# KiCad board DumpsterPanel.kicad_pcb (continued)
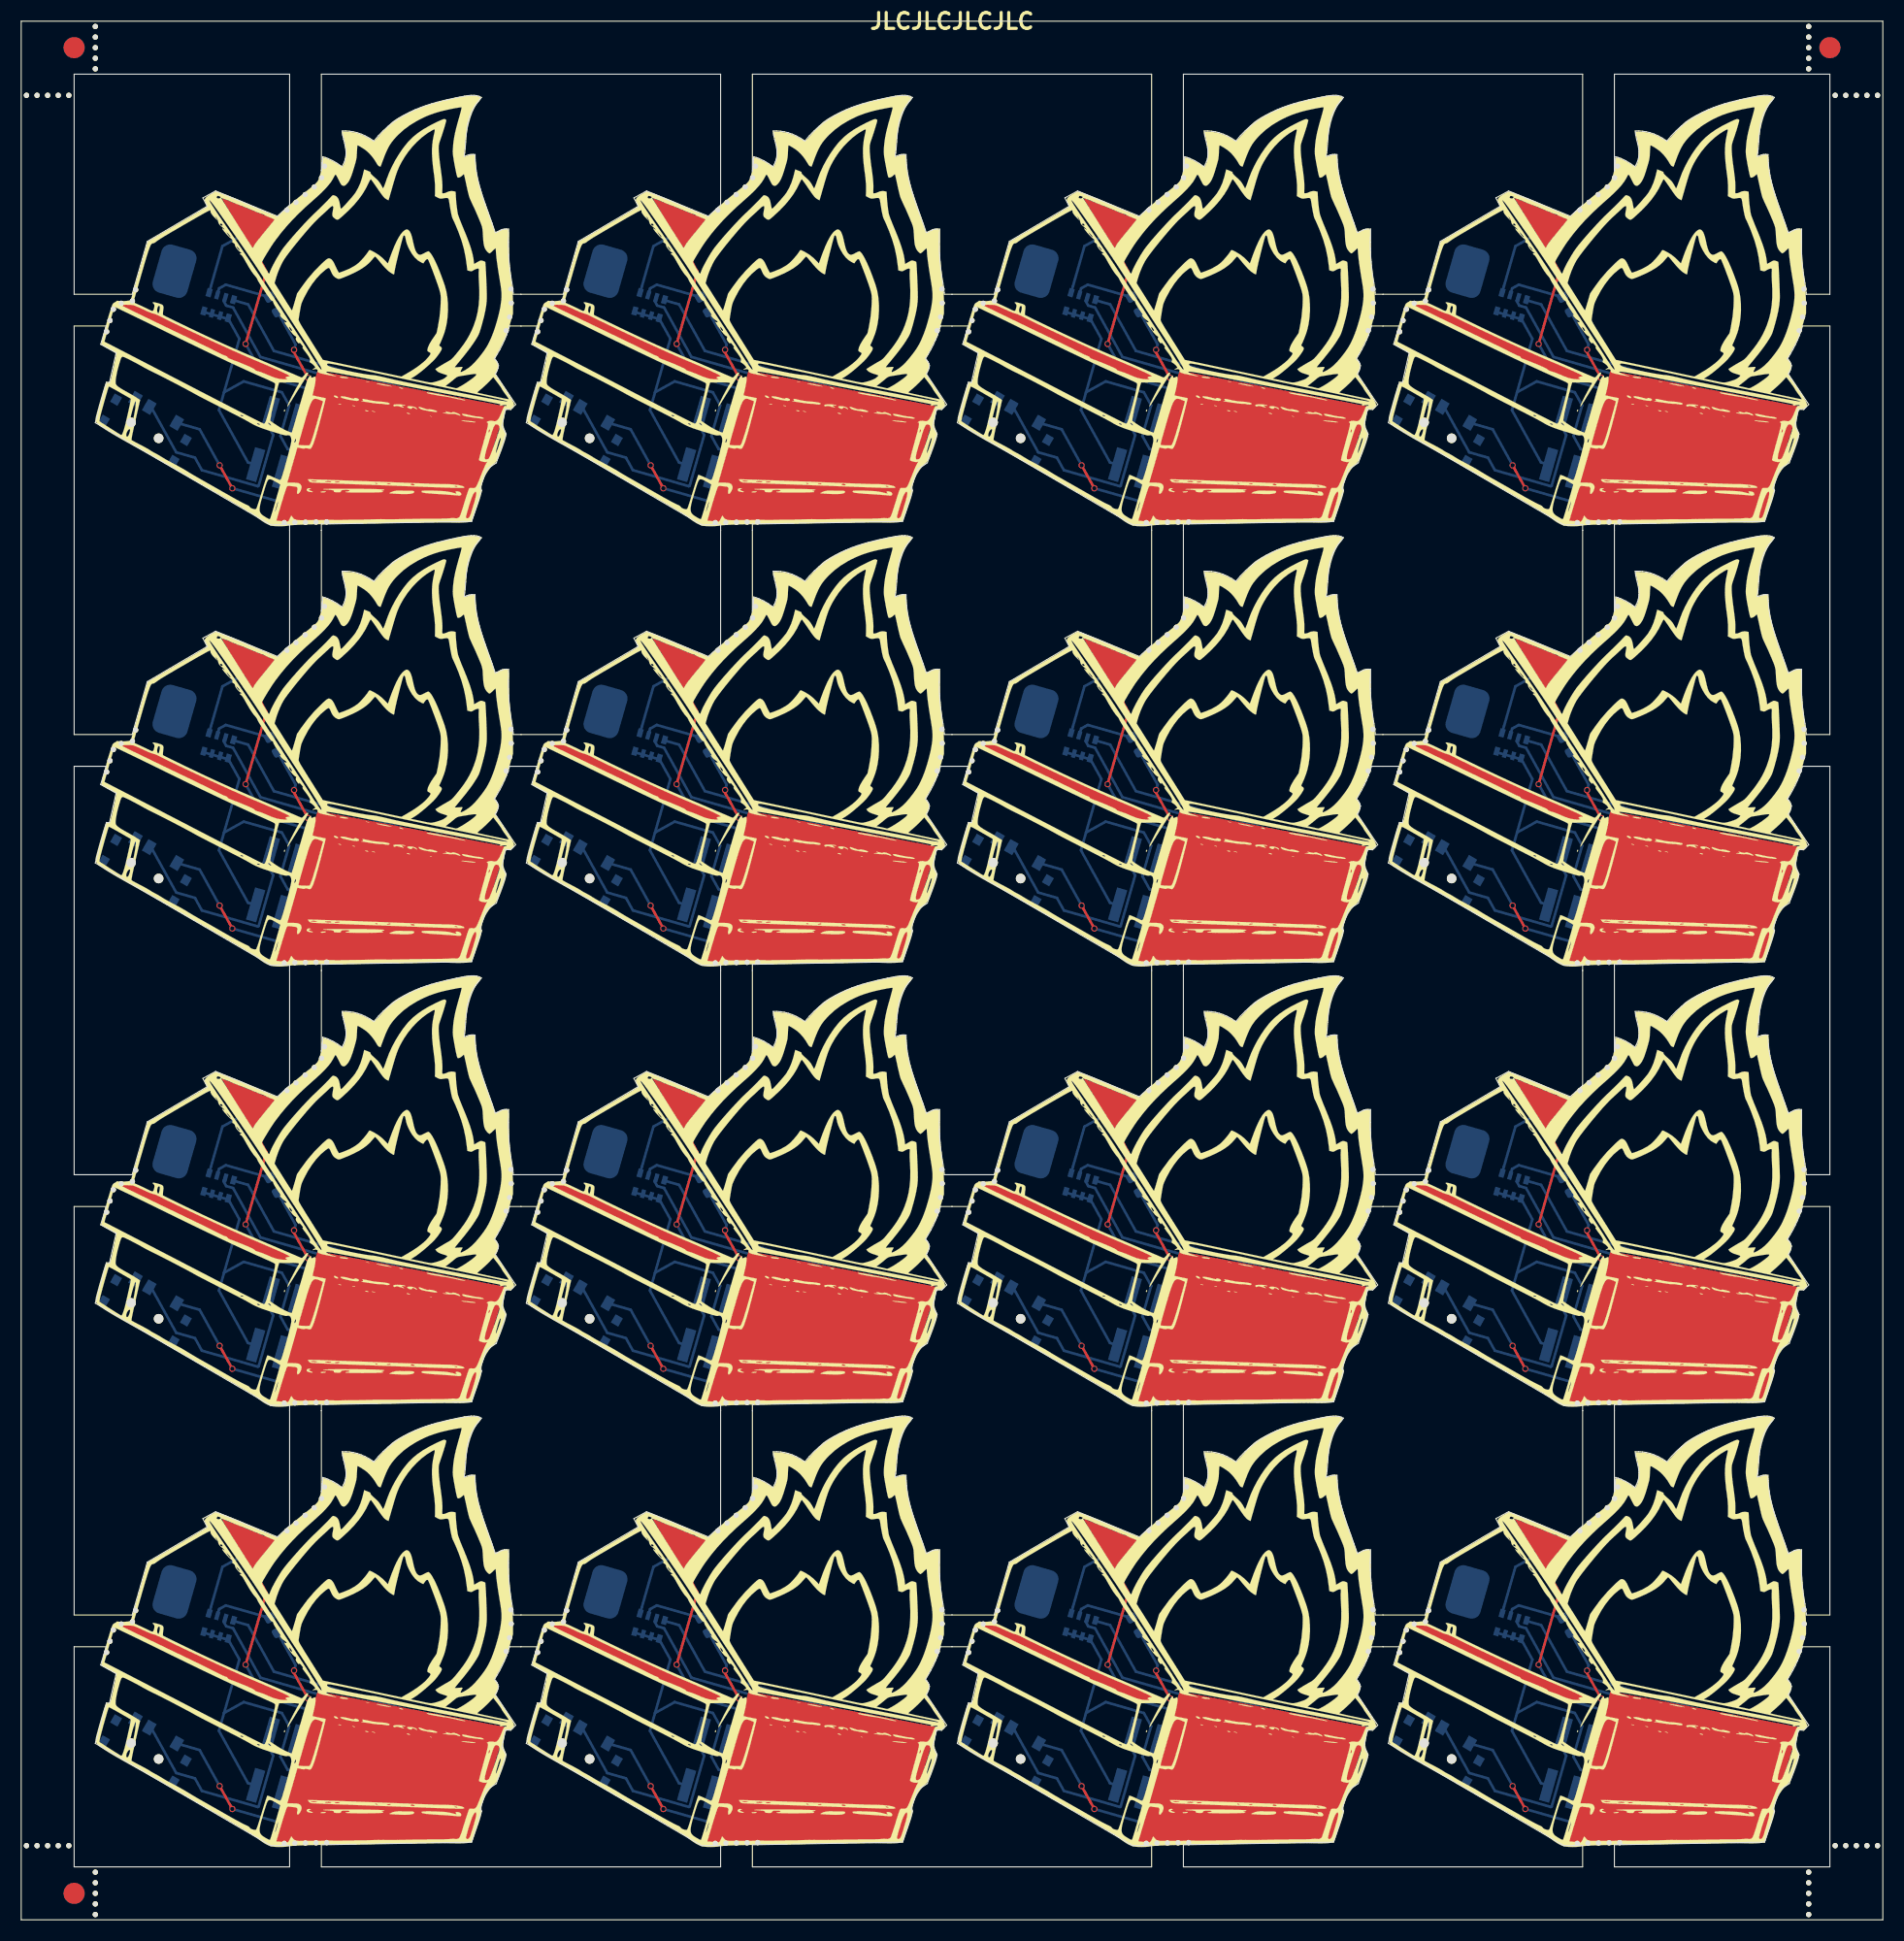
[diagram p0: board, top side]
## Placement (name value [footprint] x y rotation side) (continued)
KiKit_MB_33_4  -  [NPTH]  9.45 69.5 0 top
KiKit_MB_33_5  -  [NPTH]  10.5 69.72 0 top
KiKit_MB_33_6  -  [NPTH]  10.81 70.78 0 top
KiKit_MB_34_1  -  [NPTH]  46.25 70.85 0 top
KiKit_MB_34_2  -  [NPTH]  46.28 69.53 0 top
KiKit_MB_34_3  -  [NPTH]  46.12 68.21 0 top
KiKit_MB_34_4  -  [NPTH]  45.8 66.93 0 top
KiKit_MB_35_1  -  [NPTH]  25.1 78.3 0 top
KiKit_MB_35_2  -  [NPTH]  25.96 79.04 0 top
KiKit_MB_35_3  -  [NPTH]  26.82 79.76 0 top
KiKit_MB_35_4  -  [NPTH]  27.69 80.49 0 top
KiKit_MB_35_5  -  [NPTH]  28.37 81.36 0 top
KiKit_MB_35_6  -  [NPTH]  28.65 82.45 0 top
KiKit_MB_36_1  -  [NPTH]  28.85 48.87 0 top
KiKit_MB_36_2  -  [NPTH]  27.85 48.85 0 top
KiKit_MB_36_3  -  [NPTH]  26.85 48.83 0 top
KiKit_MB_36_4  -  [NPTH]  25.85 48.81 0 top
KiKit_MB_36_5  -  [NPTH]  24.85 48.8 0 top
KiKit_MB_37_1  -  [NPTH]  48.77 66.82 0 top
KiKit_MB_37_2  -  [NPTH]  49.09 67.88 0 top
KiKit_MB_37_3  -  [NPTH]  49.41 68.94 0 top
KiKit_MB_37_4  -  [NPTH]  50.15 69.5 0 top
KiKit_MB_37_5  -  [NPTH]  51.21 69.72 0 top
KiKit_MB_37_6  -  [NPTH]  51.51 70.78 0 top
KiKit_MB_38_1  -  [NPTH]  86.95 70.85 0 top
KiKit_MB_38_2  -  [NPTH]  86.98 69.53 0 top
KiKit_MB_38_3  -  [NPTH]  86.82 68.21 0 top
KiKit_MB_38_4  -  [NPTH]  86.5 66.93 0 top
KiKit_MB_39_1  -  [NPTH]  65.8 78.3 0 top
KiKit_MB_39_2  -  [NPTH]  66.66 79.04 0 top
KiKit_MB_39_3  -  [NPTH]  67.52 79.76 0 top
KiKit_MB_39_4  -  [NPTH]  68.39 80.49 0 top
KiKit_MB_39_5  -  [NPTH]  69.08 81.36 0 top
KiKit_MB_39_6  -  [NPTH]  69.36 82.45 0 top
KiKit_MB_40_1  -  [NPTH]  69.55 48.87 0 top
KiKit_MB_40_2  -  [NPTH]  68.55 48.85 0 top
KiKit_MB_40_3  -  [NPTH]  67.55 48.83 0 top
KiKit_MB_40_4  -  [NPTH]  66.55 48.81 0 top
KiKit_MB_40_5  -  [NPTH]  65.55 48.8 0 top
KiKit_MB_41_1  -  [NPTH]  89.48 66.82 0 top
KiKit_MB_41_2  -  [NPTH]  89.79 67.88 0 top
KiKit_MB_41_3  -  [NPTH]  90.11 68.94 0 top
KiKit_MB_41_4  -  [NPTH]  90.85 69.5 0 top
KiKit_MB_41_5  -  [NPTH]  91.91 69.72 0 top
KiKit_MB_41_6  -  [NPTH]  92.22 70.78 0 top
KiKit_MB_42_1  -  [NPTH]  127.65 70.85 0 top
KiKit_MB_42_2  -  [NPTH]  127.68 69.53 0 top
KiKit_MB_42_3  -  [NPTH]  127.52 68.21 0 top
KiKit_MB_42_4  -  [NPTH]  127.2 66.93 0 top
KiKit_MB_43_1  -  [NPTH]  106.51 78.3 0 top
KiKit_MB_43_2  -  [NPTH]  107.36 79.04 0 top
KiKit_MB_43_3  -  [NPTH]  108.23 79.76 0 top
KiKit_MB_43_4  -  [NPTH]  109.09 80.49 0 top
KiKit_MB_43_5  -  [NPTH]  109.78 81.36 0 top
KiKit_MB_43_6  -  [NPTH]  110.06 82.45 0 top
KiKit_MB_44_1  -  [NPTH]  110.25 48.87 0 top
KiKit_MB_44_2  -  [NPTH]  109.25 48.85 0 top
KiKit_MB_44_3  -  [NPTH]  108.25 48.83 0 top
KiKit_MB_44_4  -  [NPTH]  107.25 48.81 0 top
KiKit_MB_44_5  -  [NPTH]  106.25 48.8 0 top
KiKit_MB_45_1  -  [NPTH]  130.18 66.82 0 top
KiKit_MB_45_2  -  [NPTH]  130.5 67.88 0 top
KiKit_MB_45_3  -  [NPTH]  130.81 68.94 0 top
KiKit_MB_45_4  -  [NPTH]  131.55 69.5 0 top
KiKit_MB_45_5  -  [NPTH]  132.61 69.72 0 top
KiKit_MB_45_6  -  [NPTH]  132.92 70.78 0 top
KiKit_MB_46_1  -  [NPTH]  168.35 70.85 0 top
KiKit_MB_46_2  -  [NPTH]  168.38 69.53 0 top
KiKit_MB_46_3  -  [NPTH]  168.23 68.21 0 top
KiKit_MB_46_4  -  [NPTH]  167.91 66.93 0 top
KiKit_MB_47_1  -  [NPTH]  147.21 78.3 0 top
KiKit_MB_47_2  -  [NPTH]  148.07 79.04 0 top
KiKit_MB_47_3  -  [NPTH]  148.93 79.76 0 top
KiKit_MB_47_4  -  [NPTH]  149.79 80.49 0 top
KiKit_MB_47_5  -  [NPTH]  150.48 81.36 0 top
KiKit_MB_47_6  -  [NPTH]  150.76 82.45 0 top
KiKit_MB_48_1  -  [NPTH]  150.96 48.87 0 top
KiKit_MB_48_2  -  [NPTH]  149.96 48.85 0 top
KiKit_MB_48_3  -  [NPTH]  148.96 48.83 0 top
KiKit_MB_48_4  -  [NPTH]  147.96 48.81 0 top
KiKit_MB_48_5  -  [NPTH]  146.96 48.8 0 top
KiKit_MB_49_1  -  [NPTH]  8.07 25.25 0 top
KiKit_MB_49_2  -  [NPTH]  8.39 26.31 0 top
KiKit_MB_49_3  -  [NPTH]  8.71 27.37 0 top
KiKit_MB_49_4  -  [NPTH]  9.45 27.93 0 top
KiKit_MB_49_5  -  [NPTH]  10.5 28.15 0 top
KiKit_MB_49_6  -  [NPTH]  10.81 29.21 0 top
KiKit_MB_50_1  -  [NPTH]  46.25 29.28 0 top
KiKit_MB_50_2  -  [NPTH]  46.28 27.95 0 top
KiKit_MB_50_3  -  [NPTH]  46.12 26.64 0 top
KiKit_MB_50_4  -  [NPTH]  45.8 25.35 0 top
KiKit_MB_51_1  -  [NPTH]  25.1 36.73 0 top
KiKit_MB_51_2  -  [NPTH]  25.96 37.46 0 top
KiKit_MB_51_3  -  [NPTH]  26.82 38.19 0 top
KiKit_MB_51_4  -  [NPTH]  27.69 38.91 0 top
KiKit_MB_51_5  -  [NPTH]  28.37 39.79 0 top
KiKit_MB_51_6  -  [NPTH]  28.65 40.88 0 top
KiKit_MB_52_1  -  [NPTH]  28.85 7.29 0 top
KiKit_MB_52_2  -  [NPTH]  27.85 7.28 0 top
KiKit_MB_52_3  -  [NPTH]  26.85 7.26 0 top
KiKit_MB_52_4  -  [NPTH]  25.85 7.24 0 top
KiKit_MB_52_5  -  [NPTH]  24.85 7.22 0 top
KiKit_MB_53_1  -  [NPTH]  48.77 25.25 0 top
KiKit_MB_53_2  -  [NPTH]  49.09 26.31 0 top
KiKit_MB_53_3  -  [NPTH]  49.41 27.37 0 top
KiKit_MB_53_4  -  [NPTH]  50.15 27.93 0 top
KiKit_MB_53_5  -  [NPTH]  51.21 28.15 0 top
KiKit_MB_53_6  -  [NPTH]  51.51 29.21 0 top
KiKit_MB_54_1  -  [NPTH]  86.95 29.28 0 top
KiKit_MB_54_2  -  [NPTH]  86.98 27.95 0 top
KiKit_MB_54_3  -  [NPTH]  86.82 26.64 0 top
KiKit_MB_54_4  -  [NPTH]  86.5 25.35 0 top
KiKit_MB_55_1  -  [NPTH]  65.8 36.73 0 top
KiKit_MB_55_2  -  [NPTH]  66.66 37.46 0 top
KiKit_MB_55_3  -  [NPTH]  67.52 38.19 0 top
KiKit_MB_55_4  -  [NPTH]  68.39 38.91 0 top
KiKit_MB_55_5  -  [NPTH]  69.08 39.79 0 top
KiKit_MB_55_6  -  [NPTH]  69.36 40.88 0 top
KiKit_MB_56_1  -  [NPTH]  69.55 7.29 0 top
KiKit_MB_56_2  -  [NPTH]  68.55 7.28 0 top
KiKit_MB_56_3  -  [NPTH]  67.55 7.26 0 top
KiKit_MB_56_4  -  [NPTH]  66.55 7.24 0 top
KiKit_MB_56_5  -  [NPTH]  65.55 7.22 0 top
KiKit_MB_57_1  -  [NPTH]  89.48 25.25 0 top
KiKit_MB_57_2  -  [NPTH]  89.79 26.31 0 top
KiKit_MB_57_3  -  [NPTH]  90.11 27.37 0 top
KiKit_MB_57_4  -  [NPTH]  90.85 27.93 0 top
KiKit_MB_57_5  -  [NPTH]  91.91 28.15 0 top
KiKit_MB_57_6  -  [NPTH]  92.22 29.21 0 top
KiKit_MB_58_1  -  [NPTH]  127.65 29.28 0 top
KiKit_MB_58_2  -  [NPTH]  127.68 27.95 0 top
KiKit_MB_58_3  -  [NPTH]  127.52 26.64 0 top
KiKit_MB_58_4  -  [NPTH]  127.2 25.35 0 top
KiKit_MB_59_1  -  [NPTH]  106.51 36.73 0 top
KiKit_MB_59_2  -  [NPTH]  107.36 37.46 0 top
KiKit_MB_59_3  -  [NPTH]  108.23 38.19 0 top
KiKit_MB_59_4  -  [NPTH]  109.09 38.91 0 top
KiKit_MB_59_5  -  [NPTH]  109.78 39.79 0 top
KiKit_MB_59_6  -  [NPTH]  110.06 40.88 0 top
KiKit_MB_60_1  -  [NPTH]  110.25 7.29 0 top
KiKit_MB_60_2  -  [NPTH]  109.25 7.28 0 top
KiKit_MB_60_3  -  [NPTH]  108.25 7.26 0 top
KiKit_MB_60_4  -  [NPTH]  107.25 7.24 0 top
KiKit_MB_60_5  -  [NPTH]  106.25 7.22 0 top
KiKit_MB_61_1  -  [NPTH]  130.18 25.25 0 top
KiKit_MB_61_2  -  [NPTH]  130.5 26.31 0 top
KiKit_MB_61_3  -  [NPTH]  130.81 27.37 0 top
KiKit_MB_61_4  -  [NPTH]  131.55 27.93 0 top
KiKit_MB_61_5  -  [NPTH]  132.61 28.15 0 top
KiKit_MB_61_6  -  [NPTH]  132.92 29.21 0 top
KiKit_MB_62_1  -  [NPTH]  168.35 29.28 0 top
KiKit_MB_62_2  -  [NPTH]  168.38 27.95 0 top
KiKit_MB_62_3  -  [NPTH]  168.23 26.64 0 top
KiKit_MB_62_4  -  [NPTH]  167.91 25.35 0 top
KiKit_MB_63_1  -  [NPTH]  147.21 36.73 0 top
KiKit_MB_63_2  -  [NPTH]  148.07 37.46 0 top
KiKit_MB_63_3  -  [NPTH]  148.93 38.19 0 top
KiKit_MB_63_4  -  [NPTH]  149.79 38.91 0 top
KiKit_MB_63_5  -  [NPTH]  150.48 39.79 0 top
KiKit_MB_63_6  -  [NPTH]  150.76 40.88 0 top
KiKit_MB_64_1  -  [NPTH]  150.96 7.29 0 top
KiKit_MB_64_2  -  [NPTH]  149.96 7.28 0 top
KiKit_MB_64_3  -  [NPTH]  148.96 7.26 0 top
KiKit_MB_64_4  -  [NPTH]  147.96 7.24 0 top
KiKit_MB_64_5  -  [NPTH]  146.96 7.22 0 top
KiKit_MB_65_2  -  [NPTH]  7 178.79 0 top
KiKit_MB_65_3  -  [NPTH]  7 177.79 0 top
KiKit_MB_65_4  -  [NPTH]  7 176.79 0 top
KiKit_MB_65_5  -  [NPTH]  7 175.79 0 top
KiKit_MB_65_6  -  [NPTH]  7 174.79 0 top
KiKit_MB_66_2  -  [NPTH]  168.81 178.79 0 top
KiKit_MB_66_3  -  [NPTH]  168.81 177.79 0 top
KiKit_MB_66_4  -  [NPTH]  168.81 176.79 0 top
KiKit_MB_66_5  -  [NPTH]  168.81 175.79 0 top
KiKit_MB_66_6  -  [NPTH]  168.81 174.79 0 top
KiKit_MB_67_2  -  [NPTH]  7 4.5 0 top
KiKit_MB_67_3  -  [NPTH]  7 3.5 0 top
KiKit_MB_67_4  -  [NPTH]  7 2.5 0 top
KiKit_MB_67_5  -  [NPTH]  7 1.5 0 top
KiKit_MB_67_6  -  [NPTH]  7 0.5 0 top
KiKit_MB_68_2  -  [NPTH]  168.81 4.5 0 top
KiKit_MB_68_3  -  [NPTH]  168.81 3.5 0 top
KiKit_MB_68_4  -  [NPTH]  168.81 2.5 0 top
KiKit_MB_68_5  -  [NPTH]  168.81 1.5 0 top
KiKit_MB_68_6  -  [NPTH]  168.81 0.5 0 top
KiKit_MB_69_2  -  [NPTH]  0.5 172.29 0 top
KiKit_MB_69_3  -  [NPTH]  1.5 172.29 0 top
KiKit_MB_69_4  -  [NPTH]  2.5 172.29 0 top
KiKit_MB_69_5  -  [NPTH]  3.5 172.29 0 top
KiKit_MB_69_6  -  [NPTH]  4.5 172.29 0 top
KiKit_MB_70_2  -  [NPTH]  0.5 7 0 top
KiKit_MB_70_3  -  [NPTH]  1.5 7 0 top
KiKit_MB_70_4  -  [NPTH]  2.5 7 0 top
KiKit_MB_70_5  -  [NPTH]  3.5 7 0 top
KiKit_MB_70_6  -  [NPTH]  4.5 7 0 top
KiKit_MB_71_2  -  [NPTH]  171.31 172.29 0 top
KiKit_MB_71_3  -  [NPTH]  172.31 172.29 0 top
KiKit_MB_71_4  -  [NPTH]  173.31 172.29 0 top
KiKit_MB_71_5  -  [NPTH]  174.31 172.29 0 top
KiKit_MB_71_6  -  [NPTH]  175.31 172.29 0 top
KiKit_MB_72_2  -  [NPTH]  171.31 7 0 top
KiKit_MB_72_3  -  [NPTH]  172.31 7 0 top
KiKit_MB_72_4  -  [NPTH]  173.31 7 0 top
KiKit_MB_72_5  -  [NPTH]  174.31 7 0 top
KiKit_MB_72_6  -  [NPTH]  175.31 7 0 top
Ref**  Val**  [dumpsterFireMiddle]  31.02 153.85 344 top
Ref**#2  Val**  [dumpsterFireMiddle]  112.42 70.71 344 top
Ref**#3  Val**  [dumpsterFireMiddle]  112.42 112.28 344 top
Ref**#4  Val**  [dumpsterFireMiddle]  31.02 29.14 344 top
Ref**#5  Val**  [dumpsterFireMiddle]  153.12 112.28 344 top
Ref**#6  Val**  [dumpsterFireMiddle]  153.12 29.14 344 top
Ref**#7  Val**  [dumpsterFireMiddle]  153.12 70.71 344 top
Ref**#8  Val**  [dumpsterFireMiddle]  153.12 153.85 344 top
Ref**#9  Val**  [dumpsterFireMiddle]  71.72 29.14 344 top
Ref**#10  Val**  [dumpsterFireMiddle]  31.02 70.71 344 top
Ref**#11  Val**  [dumpsterFireMiddle]  31.02 112.28 344 top
Ref**#12  Val**  [dumpsterFireMiddle]  71.72 153.85 344 top
Ref**#13  Val**  [dumpsterFireMiddle]  71.72 70.71 344 top
Ref**#14  Val**  [dumpsterFireMiddle]  112.42 29.14 344 top
Ref**#15  Val**  [W]  82.97 97.09 164 bottom
Ref**#16  Val**  [UELogoVsmall]  54.26 143.77 164 bottom
Ref**#17  Val**  [UELogoVsmall]  13.56 102.2 164 bottom
Ref**#18  Val**  [W]  82.97 13.95 164 bottom
Ref**#19  Val**  [W]  164.37 138.66 164 bottom
Ref**#20  Val**  [W]  123.67 138.66 164 bottom
Ref**#21  Val**  [W]  123.67 55.52 164 bottom
Ref**#22  Val**  [UELogoVsmall]  135.67 102.2 164 bottom
Ref**#23  Val**  [W]  164.37 97.09 164 bottom
Ref**#24  Val**  [UELogoVsmall]  94.97 143.77 164 bottom
Ref**#25  Val**  [UELogoVsmall]  13.56 143.77 164 bottom
Ref**#26  Val**  [UELogoVsmall]  54.26 60.63 164 bottom
Ref**#27  Val**  [UELogoVsmall]  13.56 19.06 164 bottom
Ref**#28  Val**  [W]  42.27 97.09 164 bottom
Ref**#29  Val**  [W]  164.37 13.95 164 bottom
Ref**#30  Val**  [UELogoVsmall]  94.97 19.06 164 bottom
Ref**#31  Val**  [UELogoVsmall]  54.26 19.06 164 bottom
Ref**#32  Val**  [W]  42.27 138.66 164 bottom
Ref**#33  Val**  [W]  42.27 55.52 164 bottom
Ref**#34  Val**  [UELogoVsmall]  13.56 60.63 164 bottom
Ref**#35  Val**  [UELogoVsmall]  135.67 60.63 164 bottom
Ref**#36  Val**  [UELogoVsmall]  54.26 102.2 164 bottom
Ref**#37  Val**  [W]  123.67 13.95 164 bottom
Ref**#38  Val**  [UELogoVsmall]  94.97 60.63 164 bottom
Ref**#39  Val**  [W]  82.97 55.52 164 bottom
Ref**#40  Val**  [W]  42.27 13.95 164 bottom
Ref**#41  Val**  [UELogoVsmall]  135.67 19.06 164 bottom
Ref**#42  Val**  [W]  164.37 55.52 164 bottom
Ref**#43  Val**  [W]  82.97 138.66 164 bottom
Ref**#44  Val**  [UELogoVsmall]  135.67 143.77 164 bottom
Ref**#45  Val**  [UELogoVsmall]  94.97 102.2 164 bottom
Ref**#46  Val**  [W]  123.67 97.09 164 bottom
RN1  330  [R_Array_Convex_4x0603]  140.76 27.74 254 bottom
RN1#2  330  [R_Array_Convex_4x0603]  140.76 152.46 254 bottom
RN1#3  330  [R_Array_Convex_4x0603]  100.06 27.74 254 bottom
RN1#4  330  [R_Array_Convex_4x0603]  18.65 27.74 254 bottom
RN1#5  330  [R_Array_Convex_4x0603]  59.36 110.88 254 bottom
RN1#6  330  [R_Array_Convex_4x0603]  100.06 69.31 254 bottom
RN1#7  330  [R_Array_Convex_4x0603]  59.36 27.74 254 bottom
RN1#8  330  [R_Array_Convex_4x0603]  18.65 69.31 254 bottom
RN1#9  330  [R_Array_Convex_4x0603]  100.06 152.46 254 bottom
RN1#10  330  [R_Array_Convex_4x0603]  59.36 152.46 254 bottom
RN1#11  330  [R_Array_Convex_4x0603]  18.65 152.46 254 bottom
RN1#12  330  [R_Array_Convex_4x0603]  59.36 69.31 254 bottom
RN1#13  330  [R_Array_Convex_4x0603]  140.76 110.88 254 bottom
RN1#14  330  [R_Array_Convex_4x0603]  100.06 110.88 254 bottom
RN1#15  330  [R_Array_Convex_4x0603]  18.65 110.88 254 bottom
RN1#16  330  [R_Array_Convex_4x0603]  140.76 69.31 254 bottom
SW1  SW_SPDT  [SK-3296S_switch]  133.79 15.94 330 bottom
SW1#2  SW_SPDT  [SK-3296S_switch]  52.38 57.51 330 bottom
SW1#3  SW_SPDT  [SK-3296S_switch]  11.68 99.08 330 bottom
SW1#4  SW_SPDT  [SK-3296S_switch]  52.38 140.65 330 bottom
SW1#5  SW_SPDT  [SK-3296S_switch]  11.68 15.94 330 bottom
SW1#6  SW_SPDT  [SK-3296S_switch]  93.09 15.94 330 bottom
SW1#7  SW_SPDT  [SK-3296S_switch]  11.68 140.65 330 bottom
SW1#8  SW_SPDT  [SK-3296S_switch]  11.68 57.51 330 bottom
SW1#9  SW_SPDT  [SK-3296S_switch]  93.09 99.08 330 bottom
SW1#10  SW_SPDT  [SK-3296S_switch]  93.09 57.51 330 bottom
SW1#11  SW_SPDT  [SK-3296S_switch]  133.79 140.65 330 bottom
SW1#12  SW_SPDT  [SK-3296S_switch]  133.79 57.51 330 bottom
SW1#13  SW_SPDT  [SK-3296S_switch]  93.09 140.65 330 bottom
SW1#14  SW_SPDT  [SK-3296S_switch]  52.38 15.94 330 bottom
SW1#15  SW_SPDT  [SK-3296S_switch]  52.38 99.08 330 bottom
SW1#16  SW_SPDT  [SK-3296S_switch]  133.79 99.08 330 bottom
U2  CH32V003FxPx  [TSSOP-20_4.4x6.5mm_P0.65mm]  116.87 96.96 164 bottom
U2#2  CH32V003FxPx  [TSSOP-20_4.4x6.5mm_P0.65mm]  157.57 96.96 164 bottom
U2#3  CH32V003FxPx  [TSSOP-20_4.4x6.5mm_P0.65mm]  76.17 96.96 164 bottom
U2#4  CH32V003FxPx  [TSSOP-20_4.4x6.5mm_P0.65mm]  76.17 55.39 164 bottom
U2#5  CH32V003FxPx  [TSSOP-20_4.4x6.5mm_P0.65mm]  116.87 138.53 164 bottom
U2#6  CH32V003FxPx  [TSSOP-20_4.4x6.5mm_P0.65mm]  76.17 138.53 164 bottom
U2#7  CH32V003FxPx  [TSSOP-20_4.4x6.5mm_P0.65mm]  116.87 55.39 164 bottom
U2#8  CH32V003FxPx  [TSSOP-20_4.4x6.5mm_P0.65mm]  76.17 13.82 164 bottom
U2#9  CH32V003FxPx  [TSSOP-20_4.4x6.5mm_P0.65mm]  35.47 138.53 164 bottom
U2#10  CH32V003FxPx  [TSSOP-20_4.4x6.5mm_P0.65mm]  157.57 55.39 164 bottom
U2#11  CH32V003FxPx  [TSSOP-20_4.4x6.5mm_P0.65mm]  35.47 13.82 164 bottom
U2#12  CH32V003FxPx  [TSSOP-20_4.4x6.5mm_P0.65mm]  35.47 55.39 164 bottom
U2#13  CH32V003FxPx  [TSSOP-20_4.4x6.5mm_P0.65mm]  35.47 96.96 164 bottom
U2#14  CH32V003FxPx  [TSSOP-20_4.4x6.5mm_P0.65mm]  157.57 138.53 164 bottom
U2#15  CH32V003FxPx  [TSSOP-20_4.4x6.5mm_P0.65mm]  116.87 13.82 164 bottom
U2#16  CH32V003FxPx  [TSSOP-20_4.4x6.5mm_P0.65mm]  157.57 13.82 164 bottom

## Library data of the parts
J2 J2#2-J2#16 = -: Description: Generic connector, single row, 01x01, script generated (kicad-library-utils/schlib/autogen/connector/)
U2 U2#2-U2#16 = -: Datasheet: https://www.wch-ic.com/products/CH32V003.html; Description: CH32V003 series are industrial-grade general-purpose microcontrollers designed based on 32-bit RISC-V instruction set and architecture. It adopts QingKe V2A core, RV32EC instruction set, and supports 2 levels of interrupt nesting. The series are mounted with rich peripheral interfaces and function modules. Its internal organizational structure meets the low-cost and low-power embedded application scenarios.

## Footprints (pads in the part's own frame, mm; a bottom-side part is the same pattern mirrored in y, then rotated)
C_0805_2012Metric
  rrect 1x1.45 smd: 1(-0.95,0) 2(0.95,0)
Fiducial
  round 2 smd: (0,0)
LED_0603_1608Metric
  rrect 0.875x0.95 smd: 1(-0.787,0) 2(0.787,0)
NPTH
  round 0.5 hole 0.5 unplated: (0,0)
PinHeader_2x03_P2.54mm_Vertical_SMD
  rect 3.15x1 smd: 1(-2.525,2.54) 2(2.525,2.54) 3(-2.525,0) 4(2.525,0) 5(-2.525,-2.54) 6(2.525,-2.54)
R_Array_Convex_4x0603
  rect 0.8x0.5 smd: 1(-0.9,1.2) 4(-0.9,-1.2) 5(0.9,-1.2) 8(0.9,1.2)
  rect 0.8x0.4 smd: 2(-0.9,0.4) 3(-0.9,-0.4) 6(0.9,-0.4) 7(0.9,0.4)
SK-3296S_switch
  round 0.9 hole 0.9 unplated: (-1.5,0) (1.5,0)
  rect 0.9x1.25 smd: 1(-2.25,-2.125) 2(-0.75,-2.125) 3(2.25,-2.125)
  rect 0.8x0.9 smd: 4(-3.8,1.15) 4(-3.8,-1.15) 4(3.8,1.15) 4(3.81,-1.15)
TestPoint_5016
  rrect 4.7x3.4 smd: 1(0,0)
TSSOP-20_4.4x6.5mm_P0.65mm
  rrect 1.475x0.4 smd: 1(-2.862,2.925) 2(-2.863,2.275) 3(-2.862,1.625) 4(-2.862,0.975) 5(-2.862,0.325) 6(-2.862,-0.325) 7(-2.862,-0.975) 8(-2.862,-1.625) 9(-2.862,-2.275) 10(-2.862,-2.925) 11(2.862,-2.925) 12(2.863,-2.275) 13(2.862,-1.625) 14(2.862,-0.975) 15(2.862,-0.325) 16(2.862,0.325) 17(2.862,0.975) 18(2.862,1.625) 19(2.862,2.275) 20(2.862,2.925)

## Nets
Board_0-+3V3: J1#16.1 SW1#7.2
Board_0-A: D1#3.2 U2#9.11
Board_0-B: D4#4.2 U2#9.12
Board_0-C: D3#8.2 U2#9.13
Board_0-D: D2#5.2 U2#9.1
Board_0-Net-(D1-K): D1#3.1 RN1#11.1
Board_0-Net-(D2-K): D2#5.1 RN1#11.4
Board_0-Net-(D3-K): D3#8.1 RN1#11.3
Board_0-Net-(D4-K): D4#4.1 RN1#11.2
Board_0-SWIO: J1#16.5 U2#9.18
Board_0-unconnected-(J1-Pin_3-Pad3): J1#16.3
Board_0-unconnected-(J1-Pin_4-Pad4): J1#16.4
Board_0-unconnected-(J1-Pin_6-Pad6): J1#16.6
Board_0-unconnected-(J2-Pin_1-Pad1): J2#6.1
Board_0-unconnected-(SW1-A-Pad1): SW1#7.1
Board_0-unconnected-(U2-PA1-Pad5): U2#9.5
Board_0-unconnected-(U2-PA2-Pad6): U2#9.6
Board_0-unconnected-(U2-PC0-Pad10): U2#9.10
Board_0-unconnected-(U2-PC4-Pad14): U2#9.14
Board_0-unconnected-(U2-PC5-Pad15): U2#9.15
Board_0-unconnected-(U2-PC6-Pad16): U2#9.16
Board_0-unconnected-(U2-PC7-Pad17): U2#9.17
Board_0-unconnected-(U2-PD0-Pad8): U2#9.8
Board_0-unconnected-(U2-PD2-Pad19): U2#9.19
Board_0-unconnected-(U2-PD3-Pad20): U2#9.20
Board_0-unconnected-(U2-PD5-Pad2): U2#9.2
Board_0-unconnected-(U2-PD6-Pad3): U2#9.3
Board_0-unconnected-(U2-PD7-Pad4): U2#9.4
Board_0-VCC: C2#3.2 SW1#7.3 U2#9.9
Board_0-VSS: C2#3.1 J1#16.2 RN1#11.5 RN1#11.6 RN1#11.7 RN1#11.8 U2#9.7
Board_1-+3V3: J1#5.1 SW1#4.2
Board_1-A: D1.2 U2#6.11
Board_1-B: D4#10.2 U2#6.12
Board_1-C: D3#3.2 U2#6.13
Board_1-D: D2#10.2 U2#6.1
Board_1-Net-(D1-K): D1.1 RN1#10.1
Board_1-Net-(D2-K): D2#10.1 RN1#10.4
Board_1-Net-(D3-K): D3#3.1 RN1#10.3
Board_1-Net-(D4-K): D4#10.1 RN1#10.2
Board_1-SWIO: J1#5.5 U2#6.18
Board_1-unconnected-(J1-Pin_3-Pad3): J1#5.3
Board_1-unconnected-(J1-Pin_4-Pad4): J1#5.4
Board_1-unconnected-(J1-Pin_6-Pad6): J1#5.6
Board_1-unconnected-(J2-Pin_1-Pad1): J2#14.1
Board_1-unconnected-(SW1-A-Pad1): SW1#4.1
Board_1-unconnected-(U2-PA1-Pad5): U2#6.5
Board_1-unconnected-(U2-PA2-Pad6): U2#6.6
Board_1-unconnected-(U2-PC0-Pad10): U2#6.10
Board_1-unconnected-(U2-PC4-Pad14): U2#6.14
Board_1-unconnected-(U2-PC5-Pad15): U2#6.15
Board_1-unconnected-(U2-PC6-Pad16): U2#6.16
Board_1-unconnected-(U2-PC7-Pad17): U2#6.17
Board_1-unconnected-(U2-PD0-Pad8): U2#6.8
Board_1-unconnected-(U2-PD2-Pad19): U2#6.19
Board_1-unconnected-(U2-PD3-Pad20): U2#6.20
Board_1-unconnected-(U2-PD5-Pad2): U2#6.2
Board_1-unconnected-(U2-PD6-Pad3): U2#6.3
Board_1-unconnected-(U2-PD7-Pad4): U2#6.4
Board_1-VCC: C2.2 SW1#4.3 U2#6.9
Board_1-VSS: C2.1 J1#5.2 RN1#10.5 RN1#10.6 RN1#10.7 RN1#10.8 U2#6.7
Board_2-+3V3: J1#6.1 SW1#13.2
Board_2-A: D1#11.2 U2#5.11
Board_2-B: D4.2 U2#5.12
Board_2-C: D3#4.2 U2#5.13
Board_2-D: D2#14.2 U2#5.1
Board_2-Net-(D1-K): D1#11.1 RN1#9.1
Board_2-Net-(D2-K): D2#14.1 RN1#9.4
Board_2-Net-(D3-K): D3#4.1 RN1#9.3
Board_2-Net-(D4-K): D4.1 RN1#9.2
Board_2-SWIO: J1#6.5 U2#5.18
Board_2-unconnected-(J1-Pin_3-Pad3): J1#6.3
Board_2-unconnected-(J1-Pin_4-Pad4): J1#6.4
Board_2-unconnected-(J1-Pin_6-Pad6): J1#6.6
Board_2-unconnected-(J2-Pin_1-Pad1): J2#2.1
Board_2-unconnected-(SW1-A-Pad1): SW1#13.1
Board_2-unconnected-(U2-PA1-Pad5): U2#5.5
Board_2-unconnected-(U2-PA2-Pad6): U2#5.6
Board_2-unconnected-(U2-PC0-Pad10): U2#5.10
Board_2-unconnected-(U2-PC4-Pad14): U2#5.14
Board_2-unconnected-(U2-PC5-Pad15): U2#5.15
Board_2-unconnected-(U2-PC6-Pad16): U2#5.16
Board_2-unconnected-(U2-PC7-Pad17): U2#5.17
Board_2-unconnected-(U2-PD0-Pad8): U2#5.8
Board_2-unconnected-(U2-PD2-Pad19): U2#5.19
Board_2-unconnected-(U2-PD3-Pad20): U2#5.20
Board_2-unconnected-(U2-PD5-Pad2): U2#5.2
Board_2-unconnected-(U2-PD6-Pad3): U2#5.3
Board_2-unconnected-(U2-PD7-Pad4): U2#5.4
Board_2-VCC: C2#4.2 SW1#13.3 U2#5.9
Board_2-VSS: C2#4.1 J1#6.2 RN1#9.5 RN1#9.6 RN1#9.7 RN1#9.8 U2#5.7
Board_3-+3V3: J1#8.1 SW1#11.2
Board_3-A: D1#13.2 U2#14.11
Board_3-B: D4#16.2 U2#14.12
Board_3-C: D3#5.2 U2#14.13
Board_3-D: D2#11.2 U2#14.1
Board_3-Net-(D1-K): D1#13.1 RN1#2.1
Board_3-Net-(D2-K): D2#11.1 RN1#2.4
Board_3-Net-(D3-K): D3#5.1 RN1#2.3
Board_3-Net-(D4-K): D4#16.1 RN1#2.2
Board_3-SWIO: J1#8.5 U2#14.18
Board_3-unconnected-(J1-Pin_3-Pad3): J1#8.3
Board_3-unconnected-(J1-Pin_4-Pad4): J1#8.4
Board_3-unconnected-(J1-Pin_6-Pad6): J1#8.6
Board_3-unconnected-(J2-Pin_1-Pad1): J2#3.1
Board_3-unconnected-(SW1-A-Pad1): SW1#11.1
Board_3-unconnected-(U2-PA1-Pad5): U2#14.5
Board_3-unconnected-(U2-PA2-Pad6): U2#14.6
Board_3-unconnected-(U2-PC0-Pad10): U2#14.10
Board_3-unconnected-(U2-PC4-Pad14): U2#14.14
Board_3-unconnected-(U2-PC5-Pad15): U2#14.15
Board_3-unconnected-(U2-PC6-Pad16): U2#14.16
Board_3-unconnected-(U2-PC7-Pad17): U2#14.17
Board_3-unconnected-(U2-PD0-Pad8): U2#14.8
Board_3-unconnected-(U2-PD2-Pad19): U2#14.19
Board_3-unconnected-(U2-PD3-Pad20): U2#14.20
Board_3-unconnected-(U2-PD5-Pad2): U2#14.2
Board_3-unconnected-(U2-PD6-Pad3): U2#14.3
Board_3-unconnected-(U2-PD7-Pad4): U2#14.4
Board_3-VCC: C2#5.2 SW1#11.3 U2#14.9
Board_3-VSS: C2#5.1 J1#8.2 RN1#2.5 RN1#2.6 RN1#2.7 RN1#2.8 U2#14.7
Board_4-+3V3: J1#12.1 SW1#3.2
Board_4-A: D1#5.2 U2#13.11
Board_4-B: D4#8.2 U2#13.12
Board_4-C: D3#16.2 U2#13.13
Board_4-D: D2#8.2 U2#13.1
Board_4-Net-(D1-K): D1#5.1 RN1#15.1
Board_4-Net-(D2-K): D2#8.1 RN1#15.4
Board_4-Net-(D3-K): D3#16.1 RN1#15.3
Board_4-Net-(D4-K): D4#8.1 RN1#15.2
Board_4-SWIO: J1#12.5 U2#13.18
Board_4-unconnected-(J1-Pin_3-Pad3): J1#12.3
Board_4-unconnected-(J1-Pin_4-Pad4): J1#12.4
Board_4-unconnected-(J1-Pin_6-Pad6): J1#12.6
Board_4-unconnected-(J2-Pin_1-Pad1): J2#12.1
Board_4-unconnected-(SW1-A-Pad1): SW1#3.1
Board_4-unconnected-(U2-PA1-Pad5): U2#13.5
Board_4-unconnected-(U2-PA2-Pad6): U2#13.6
Board_4-unconnected-(U2-PC0-Pad10): U2#13.10
Board_4-unconnected-(U2-PC4-Pad14): U2#13.14
Board_4-unconnected-(U2-PC5-Pad15): U2#13.15
Board_4-unconnected-(U2-PC6-Pad16): U2#13.16
Board_4-unconnected-(U2-PC7-Pad17): U2#13.17
Board_4-unconnected-(U2-PD0-Pad8): U2#13.8
Board_4-unconnected-(U2-PD2-Pad19): U2#13.19
Board_4-unconnected-(U2-PD3-Pad20): U2#13.20
Board_4-unconnected-(U2-PD5-Pad2): U2#13.2
Board_4-unconnected-(U2-PD6-Pad3): U2#13.3
Board_4-unconnected-(U2-PD7-Pad4): U2#13.4
Board_4-VCC: C2#16.2 SW1#3.3 U2#13.9
Board_4-VSS: C2#16.1 J1#12.2 RN1#15.5 RN1#15.6 RN1#15.7 RN1#15.8 U2#13.7
Board_5-+3V3: J1#15.1 SW1#15.2
Board_5-A: D1#6.2 U2#3.11
Board_5-B: D4#13.2 U2#3.12
Board_5-C: D3#10.2 U2#3.13
Board_5-D: D2#6.2 U2#3.1
Board_5-Net-(D1-K): D1#6.1 RN1#5.1
Board_5-Net-(D2-K): D2#6.1 RN1#5.4
Board_5-Net-(D3-K): D3#10.1 RN1#5.3
Board_5-Net-(D4-K): D4#13.1 RN1#5.2
Board_5-SWIO: J1#15.5 U2#3.18
Board_5-unconnected-(J1-Pin_3-Pad3): J1#15.3
Board_5-unconnected-(J1-Pin_4-Pad4): J1#15.4
Board_5-unconnected-(J1-Pin_6-Pad6): J1#15.6
Board_5-unconnected-(J2-Pin_1-Pad1): J2#7.1
Board_5-unconnected-(SW1-A-Pad1): SW1#15.1
Board_5-unconnected-(U2-PA1-Pad5): U2#3.5
Board_5-unconnected-(U2-PA2-Pad6): U2#3.6
Board_5-unconnected-(U2-PC0-Pad10): U2#3.10
Board_5-unconnected-(U2-PC4-Pad14): U2#3.14
Board_5-unconnected-(U2-PC5-Pad15): U2#3.15
Board_5-unconnected-(U2-PC6-Pad16): U2#3.16
Board_5-unconnected-(U2-PC7-Pad17): U2#3.17
Board_5-unconnected-(U2-PD0-Pad8): U2#3.8
Board_5-unconnected-(U2-PD2-Pad19): U2#3.19
Board_5-unconnected-(U2-PD3-Pad20): U2#3.20
Board_5-unconnected-(U2-PD5-Pad2): U2#3.2
Board_5-unconnected-(U2-PD6-Pad3): U2#3.3
Board_5-unconnected-(U2-PD7-Pad4): U2#3.4
Board_5-VCC: C2#12.2 SW1#15.3 U2#3.9
Board_5-VSS: C2#12.1 J1#15.2 RN1#5.5 RN1#5.6 RN1#5.7 RN1#5.8 U2#3.7
Board_6-+3V3: J1#10.1 SW1#9.2
Board_6-A: D1#15.2 U2.11
Board_6-B: D4#15.2 U2.12
Board_6-C: D3#7.2 U2.13
Board_6-D: D2.2 U2.1
Board_6-Net-(D1-K): D1#15.1 RN1#14.1
Board_6-Net-(D2-K): D2.1 RN1#14.4
Board_6-Net-(D3-K): D3#7.1 RN1#14.3
Board_6-Net-(D4-K): D4#15.1 RN1#14.2
Board_6-SWIO: J1#10.5 U2.18
Board_6-unconnected-(J1-Pin_3-Pad3): J1#10.3
Board_6-unconnected-(J1-Pin_4-Pad4): J1#10.4
Board_6-unconnected-(J1-Pin_6-Pad6): J1#10.6
Board_6-unconnected-(J2-Pin_1-Pad1): J2#16.1
Board_6-unconnected-(SW1-A-Pad1): SW1#9.1
Board_6-unconnected-(U2-PA1-Pad5): U2.5
Board_6-unconnected-(U2-PA2-Pad6): U2.6
Board_6-unconnected-(U2-PC0-Pad10): U2.10
Board_6-unconnected-(U2-PC4-Pad14): U2.14
Board_6-unconnected-(U2-PC5-Pad15): U2.15
Board_6-unconnected-(U2-PC6-Pad16): U2.16
Board_6-unconnected-(U2-PC7-Pad17): U2.17
Board_6-unconnected-(U2-PD0-Pad8): U2.8
Board_6-unconnected-(U2-PD2-Pad19): U2.19
Board_6-unconnected-(U2-PD3-Pad20): U2.20
Board_6-unconnected-(U2-PD5-Pad2): U2.2
Board_6-unconnected-(U2-PD6-Pad3): U2.3
Board_6-unconnected-(U2-PD7-Pad4): U2.4
Board_6-VCC: C2#14.2 SW1#9.3 U2.9
Board_6-VSS: C2#14.1 J1#10.2 RN1#14.5 RN1#14.6 RN1#14.7 RN1#14.8 U2.7
Board_7-+3V3: J1#11.1 SW1#16.2
Board_7-A: D1#2.2 U2#2.11
Board_7-B: D4#5.2 U2#2.12
Board_7-C: D3#9.2 U2#2.13
Board_7-D: D2#4.2 U2#2.1
Board_7-Net-(D1-K): D1#2.1 RN1#13.1
Board_7-Net-(D2-K): D2#4.1 RN1#13.4
Board_7-Net-(D3-K): D3#9.1 RN1#13.3
Board_7-Net-(D4-K): D4#5.1 RN1#13.2
Board_7-SWIO: J1#11.5 U2#2.18
Board_7-unconnected-(J1-Pin_3-Pad3): J1#11.3
Board_7-unconnected-(J1-Pin_4-Pad4): J1#11.4
Board_7-unconnected-(J1-Pin_6-Pad6): J1#11.6
Board_7-unconnected-(J2-Pin_1-Pad1): J2#9.1
Board_7-unconnected-(SW1-A-Pad1): SW1#16.1
Board_7-unconnected-(U2-PA1-Pad5): U2#2.5
Board_7-unconnected-(U2-PA2-Pad6): U2#2.6
Board_7-unconnected-(U2-PC0-Pad10): U2#2.10
Board_7-unconnected-(U2-PC4-Pad14): U2#2.14
Board_7-unconnected-(U2-PC5-Pad15): U2#2.15
Board_7-unconnected-(U2-PC6-Pad16): U2#2.16
Board_7-unconnected-(U2-PC7-Pad17): U2#2.17
Board_7-unconnected-(U2-PD0-Pad8): U2#2.8
Board_7-unconnected-(U2-PD2-Pad19): U2#2.19
Board_7-unconnected-(U2-PD3-Pad20): U2#2.20
Board_7-unconnected-(U2-PD5-Pad2): U2#2.2
Board_7-unconnected-(U2-PD6-Pad3): U2#2.3
Board_7-unconnected-(U2-PD7-Pad4): U2#2.4
Board_7-VCC: C2#13.2 SW1#16.3 U2#2.9
Board_7-VSS: C2#13.1 J1#11.2 RN1#13.5 RN1#13.6 RN1#13.7 RN1#13.8 U2#2.7
Board_8-+3V3: J1#2.1 SW1#8.2
Board_8-A: D1#8.2 U2#12.11
Board_8-B: D4#11.2 U2#12.12
Board_8-C: D3#12.2 U2#12.13
Board_8-D: D2#7.2 U2#12.1
Board_8-Net-(D1-K): D1#8.1 RN1#8.1
Board_8-Net-(D2-K): D2#7.1 RN1#8.4
Board_8-Net-(D3-K): D3#12.1 RN1#8.3
Board_8-Net-(D4-K): D4#11.1 RN1#8.2
Board_8-SWIO: J1#2.5 U2#12.18
Board_8-unconnected-(J1-Pin_3-Pad3): J1#2.3
Board_8-unconnected-(J1-Pin_4-Pad4): J1#2.4
Board_8-unconnected-(J1-Pin_6-Pad6): J1#2.6
Board_8-unconnected-(J2-Pin_1-Pad1): J2#5.1
Board_8-unconnected-(SW1-A-Pad1): SW1#8.1
Board_8-unconnected-(U2-PA1-Pad5): U2#12.5
Board_8-unconnected-(U2-PA2-Pad6): U2#12.6
Board_8-unconnected-(U2-PC0-Pad10): U2#12.10
Board_8-unconnected-(U2-PC4-Pad14): U2#12.14
Board_8-unconnected-(U2-PC5-Pad15): U2#12.15
Board_8-unconnected-(U2-PC6-Pad16): U2#12.16
Board_8-unconnected-(U2-PC7-Pad17): U2#12.17
Board_8-unconnected-(U2-PD0-Pad8): U2#12.8
Board_8-unconnected-(U2-PD2-Pad19): U2#12.19
Board_8-unconnected-(U2-PD3-Pad20): U2#12.20
Board_8-unconnected-(U2-PD5-Pad2): U2#12.2
Board_8-unconnected-(U2-PD6-Pad3): U2#12.3
Board_8-unconnected-(U2-PD7-Pad4): U2#12.4
Board_8-VCC: C2#6.2 SW1#8.3 U2#12.9
Board_8-VSS: C2#6.1 J1#2.2 RN1#8.5 RN1#8.6 RN1#8.7 RN1#8.8 U2#12.7
Board_9-+3V3: J1#3.1 SW1#2.2
Board_9-A: D1#16.2 U2#4.11
Board_9-B: D4#7.2 U2#4.12
Board_9-C: D3#14.2 U2#4.13
Board_9-D: D2#13.2 U2#4.1
Board_9-Net-(D1-K): D1#16.1 RN1#12.1
Board_9-Net-(D2-K): D2#13.1 RN1#12.4
Board_9-Net-(D3-K): D3#14.1 RN1#12.3
Board_9-Net-(D4-K): D4#7.1 RN1#12.2
Board_9-SWIO: J1#3.5 U2#4.18
Board_9-unconnected-(J1-Pin_3-Pad3): J1#3.3
Board_9-unconnected-(J1-Pin_4-Pad4): J1#3.4
Board_9-unconnected-(J1-Pin_6-Pad6): J1#3.6
Board_9-unconnected-(J2-Pin_1-Pad1): J2.1
Board_9-unconnected-(SW1-A-Pad1): SW1#2.1
Board_9-unconnected-(U2-PA1-Pad5): U2#4.5
Board_9-unconnected-(U2-PA2-Pad6): U2#4.6
Board_9-unconnected-(U2-PC0-Pad10): U2#4.10
Board_9-unconnected-(U2-PC4-Pad14): U2#4.14
Board_9-unconnected-(U2-PC5-Pad15): U2#4.15
Board_9-unconnected-(U2-PC6-Pad16): U2#4.16
Board_9-unconnected-(U2-PC7-Pad17): U2#4.17
Board_9-unconnected-(U2-PD0-Pad8): U2#4.8
Board_9-unconnected-(U2-PD2-Pad19): U2#4.19
Board_9-unconnected-(U2-PD3-Pad20): U2#4.20
Board_9-unconnected-(U2-PD5-Pad2): U2#4.2
Board_9-unconnected-(U2-PD6-Pad3): U2#4.3
Board_9-unconnected-(U2-PD7-Pad4): U2#4.4
Board_9-VCC: C2#15.2 SW1#2.3 U2#4.9
Board_9-VSS: C2#15.1 J1#3.2 RN1#12.5 RN1#12.6 RN1#12.7 RN1#12.8 U2#4.7
Board_10-+3V3: J1.1 SW1#10.2
Board_10-A: D1#9.2 U2#7.11
Board_10-B: D4#6.2 U2#7.12
Board_10-C: D3#15.2 U2#7.13
Board_10-D: D2#2.2 U2#7.1
Board_10-Net-(D1-K): D1#9.1 RN1#6.1
Board_10-Net-(D2-K): D2#2.1 RN1#6.4
Board_10-Net-(D3-K): D3#15.1 RN1#6.3
Board_10-Net-(D4-K): D4#6.1 RN1#6.2
Board_10-SWIO: J1.5 U2#7.18
Board_10-unconnected-(J1-Pin_3-Pad3): J1.3
Board_10-unconnected-(J1-Pin_4-Pad4): J1.4
Board_10-unconnected-(J1-Pin_6-Pad6): J1.6
Board_10-unconnected-(J2-Pin_1-Pad1): J2#11.1
Board_10-unconnected-(SW1-A-Pad1): SW1#10.1
Board_10-unconnected-(U2-PA1-Pad5): U2#7.5
Board_10-unconnected-(U2-PA2-Pad6): U2#7.6
Board_10-unconnected-(U2-PC0-Pad10): U2#7.10
Board_10-unconnected-(U2-PC4-Pad14): U2#7.14
Board_10-unconnected-(U2-PC5-Pad15): U2#7.15
Board_10-unconnected-(U2-PC6-Pad16): U2#7.16
Board_10-unconnected-(U2-PC7-Pad17): U2#7.17
Board_10-unconnected-(U2-PD0-Pad8): U2#7.8
Board_10-unconnected-(U2-PD2-Pad19): U2#7.19
Board_10-unconnected-(U2-PD3-Pad20): U2#7.20
Board_10-unconnected-(U2-PD5-Pad2): U2#7.2
Board_10-unconnected-(U2-PD6-Pad3): U2#7.3
Board_10-unconnected-(U2-PD7-Pad4): U2#7.4
Board_10-VCC: C2#10.2 SW1#10.3 U2#7.9
Board_10-VSS: C2#10.1 J1.2 RN1#6.5 RN1#6.6 RN1#6.7 RN1#6.8 U2#7.7
Board_11-+3V3: J1#7.1 SW1#12.2
Board_11-A: D1#4.2 U2#10.11
Board_11-B: D4#2.2 U2#10.12
Board_11-C: D3#13.2 U2#10.13
Board_11-D: D2#16.2 U2#10.1
Board_11-Net-(D1-K): D1#4.1 RN1#16.1
Board_11-Net-(D2-K): D2#16.1 RN1#16.4
Board_11-Net-(D3-K): D3#13.1 RN1#16.3
Board_11-Net-(D4-K): D4#2.1 RN1#16.2
Board_11-SWIO: J1#7.5 U2#10.18
Board_11-unconnected-(J1-Pin_3-Pad3): J1#7.3
Board_11-unconnected-(J1-Pin_4-Pad4): J1#7.4
Board_11-unconnected-(J1-Pin_6-Pad6): J1#7.6
Board_11-unconnected-(J2-Pin_1-Pad1): J2#10.1
Board_11-unconnected-(SW1-A-Pad1): SW1#12.1
Board_11-unconnected-(U2-PA1-Pad5): U2#10.5
Board_11-unconnected-(U2-PA2-Pad6): U2#10.6
Board_11-unconnected-(U2-PC0-Pad10): U2#10.10
Board_11-unconnected-(U2-PC4-Pad14): U2#10.14
Board_11-unconnected-(U2-PC5-Pad15): U2#10.15
Board_11-unconnected-(U2-PC6-Pad16): U2#10.16
Board_11-unconnected-(U2-PC7-Pad17): U2#10.17
Board_11-unconnected-(U2-PD0-Pad8): U2#10.8
Board_11-unconnected-(U2-PD2-Pad19): U2#10.19
Board_11-unconnected-(U2-PD3-Pad20): U2#10.20
Board_11-unconnected-(U2-PD5-Pad2): U2#10.2
Board_11-unconnected-(U2-PD6-Pad3): U2#10.3
Board_11-unconnected-(U2-PD7-Pad4): U2#10.4
Board_11-VCC: C2#8.2 SW1#12.3 U2#10.9
Board_11-VSS: C2#8.1 J1#7.2 RN1#16.5 RN1#16.6 RN1#16.7 RN1#16.8 U2#10.7
Board_12-+3V3: J1#13.1 SW1#5.2
Board_12-A: D1#7.2 U2#11.11
Board_12-B: D4#12.2 U2#11.12
Board_12-C: D3.2 U2#11.13
Board_12-D: D2#15.2 U2#11.1
Board_12-Net-(D1-K): D1#7.1 RN1#4.1
Board_12-Net-(D2-K): D2#15.1 RN1#4.4
Board_12-Net-(D3-K): D3.1 RN1#4.3
Board_12-Net-(D4-K): D4#12.1 RN1#4.2
Board_12-SWIO: J1#13.5 U2#11.18
Board_12-unconnected-(J1-Pin_3-Pad3): J1#13.3
Board_12-unconnected-(J1-Pin_4-Pad4): J1#13.4
Board_12-unconnected-(J1-Pin_6-Pad6): J1#13.6
Board_12-unconnected-(J2-Pin_1-Pad1): J2#8.1
Board_12-unconnected-(SW1-A-Pad1): SW1#5.1
Board_12-unconnected-(U2-PA1-Pad5): U2#11.5
Board_12-unconnected-(U2-PA2-Pad6): U2#11.6
Board_12-unconnected-(U2-PC0-Pad10): U2#11.10
Board_12-unconnected-(U2-PC4-Pad14): U2#11.14
Board_12-unconnected-(U2-PC5-Pad15): U2#11.15
Board_12-unconnected-(U2-PC6-Pad16): U2#11.16
Board_12-unconnected-(U2-PC7-Pad17): U2#11.17
Board_12-unconnected-(U2-PD0-Pad8): U2#11.8
